# Altium PCB JTAG-批量下载V06.PcbDoc (part 6 of 13)
Units mil, origin at the board's own origin, x right, y up, seen from the top; angles counter-clockwise.
Board outline 6380 x 5290 mil, 2 copper layers (Top Layer, Bottom Layer); 190 components, 238 nets, 1050 pads, 459 vias.
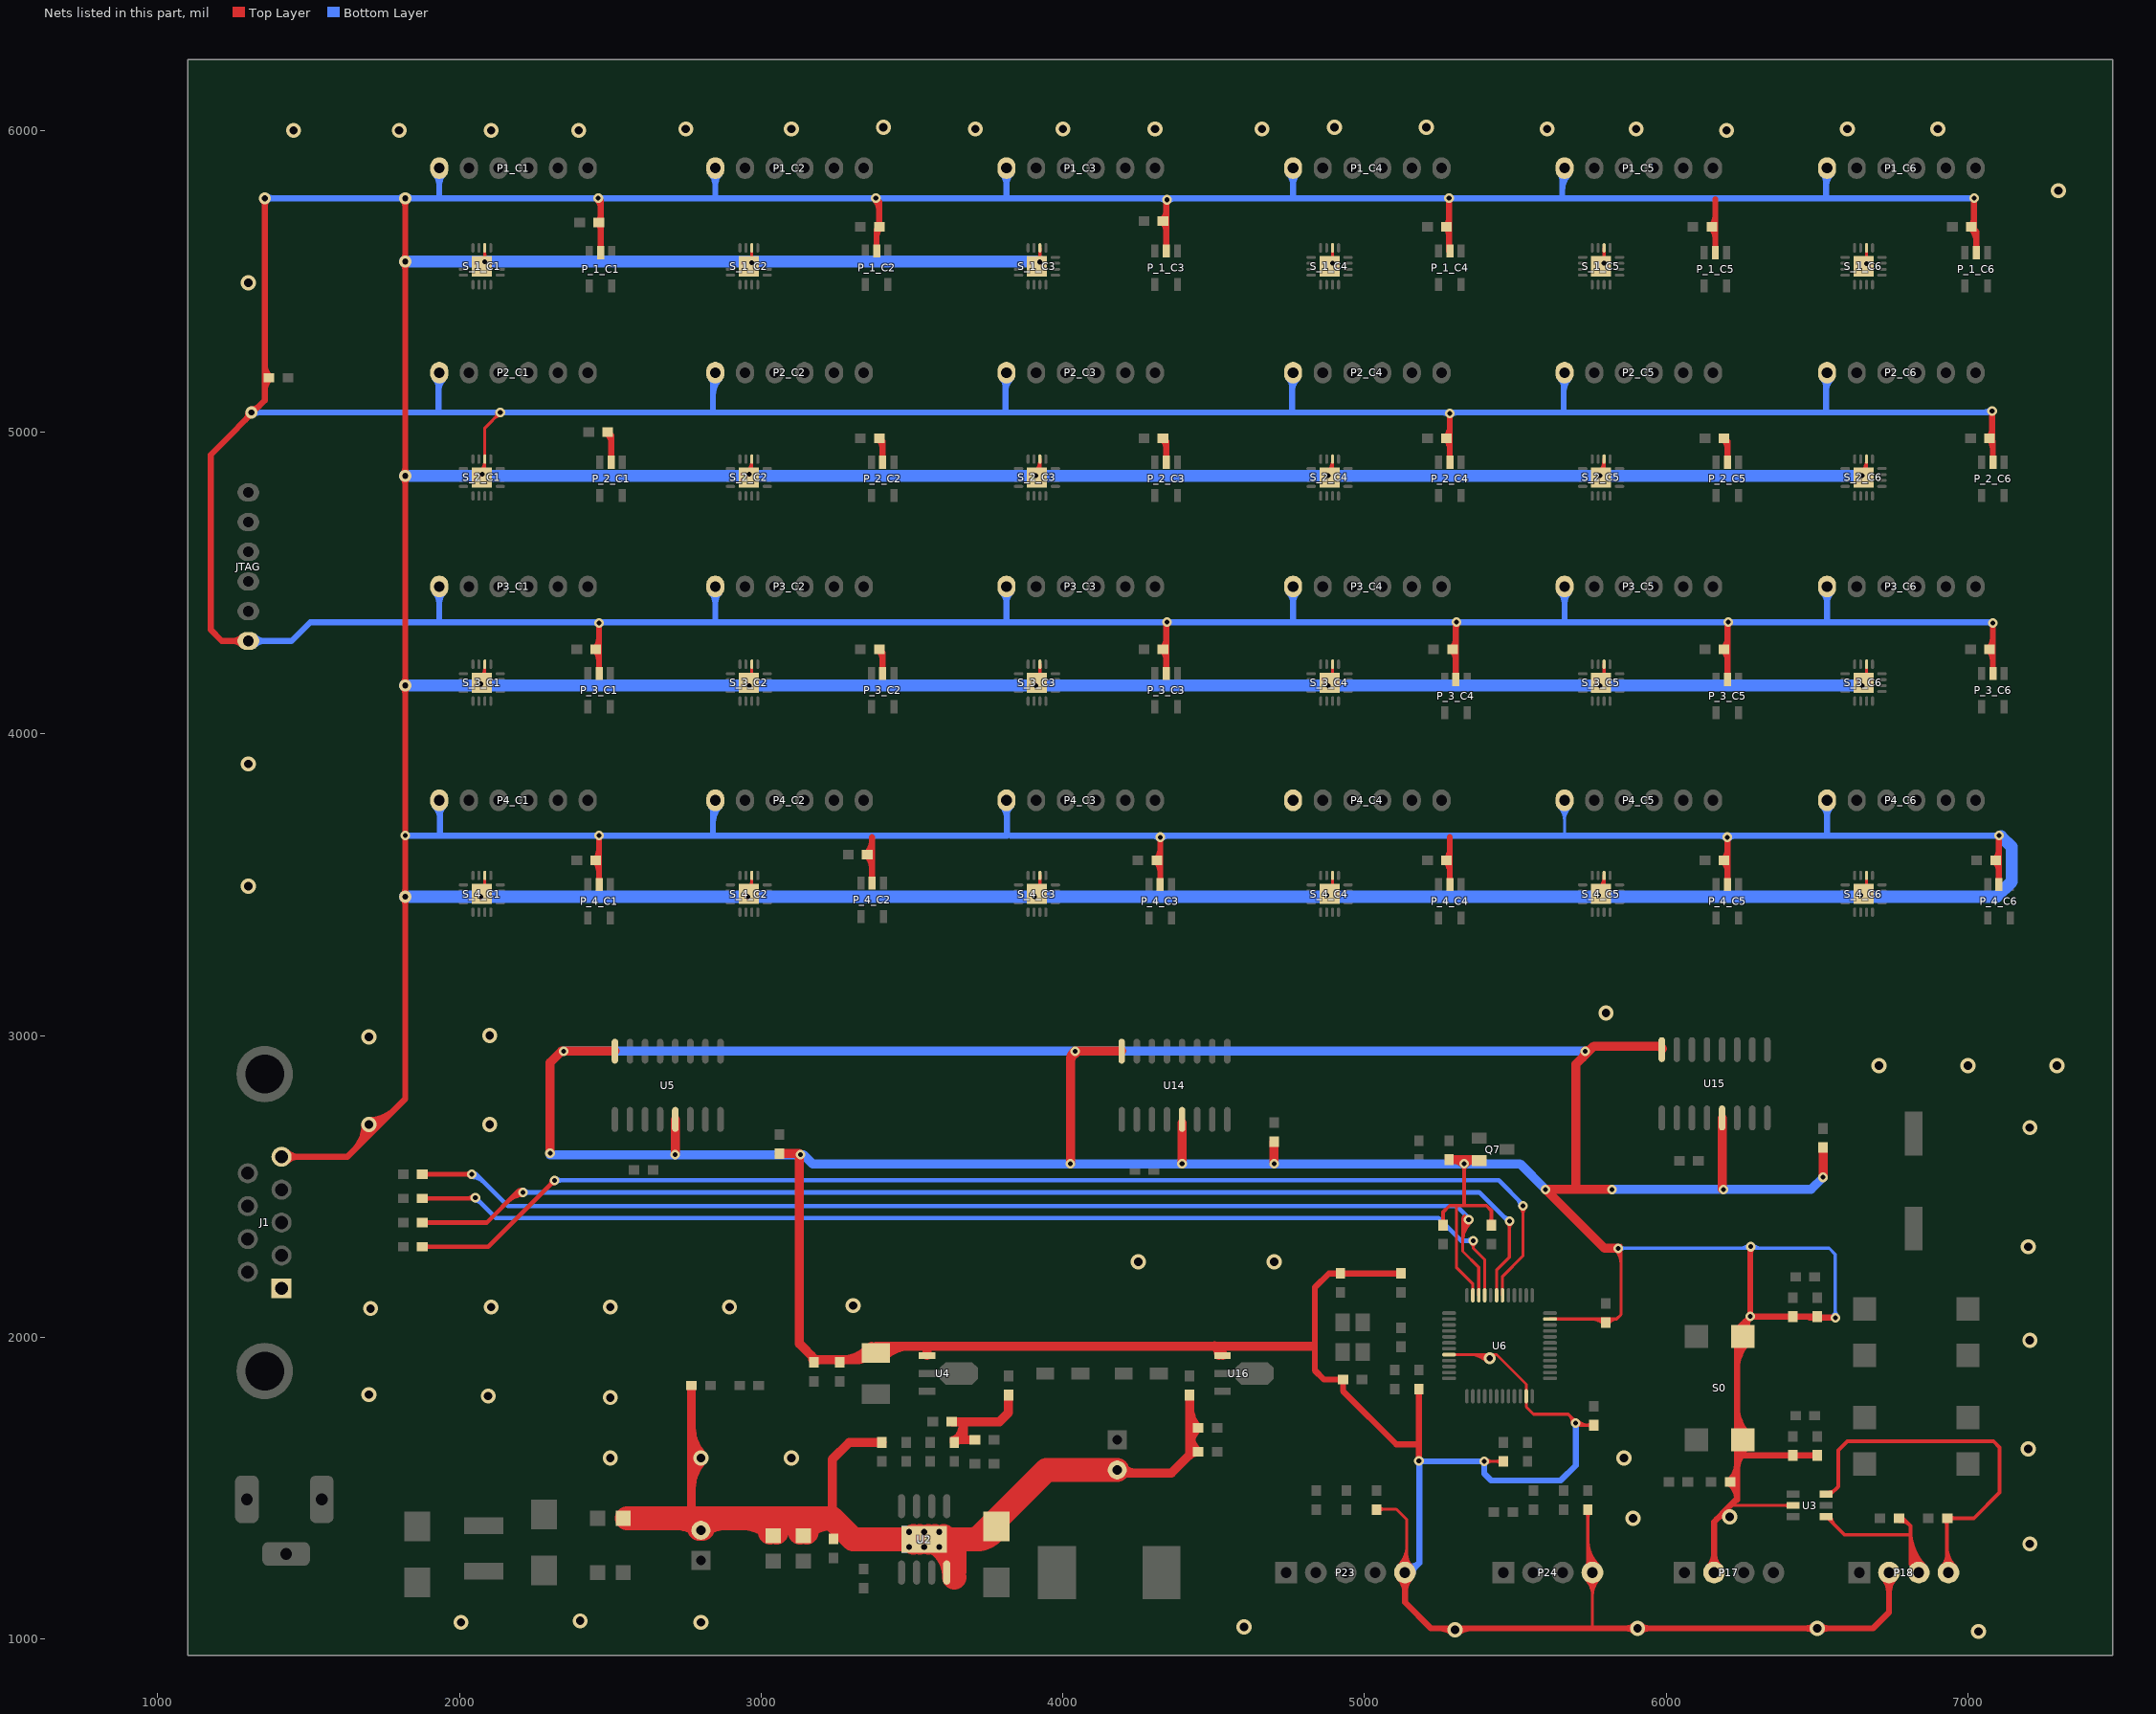
[diagram p6: the nets of this part, all layers, seen from the top]

## Via types
v1: diameter 32, hole 16, Top Layer to Bottom Layer, 347 vias
v2: diameter 50, hole 28, Top Layer to Bottom Layer, 63 vias
v3: diameter 40, hole 20, Top Layer to Bottom Layer, 49 vias

## Nets (pads, with @x,y where several pads share a name; then routed paths per layer and width w, separated by ;. In a path a pad name is that pad's centre, name@x,y a point inside that pad or via, vN(x,y) a via of type N, cw(c..) or ccw(c..) an arc to the next point about the centre after c; other vN are vias at no path point) (continued)
GND: (continued)
  Bottom Layer w20: JTAG.6@1300,4307.87 1442.87,4307.87 1505,4370 v1@7082.6,4370 ; v3@1315,5065 v1@7080,5065 ; v3(1355,5775) v1(7020,5775) ; v1(1820,3662.6) 3815,3662.6 P4_C3.6@3815,3777.4 ; 1930,5065 P2_C1.6@1930,5193.98 ; 1932.87,4372.13 P3_C1.6@1932.87,4488.19 ; 1932.87,5777.13 P1_C1.6@1932.87,5875 ; 1935,3662.6 P4_C1.6@1935,3777.4 ; 2840,3662.6 P4_C2.6@2840,3771.65 ; 2840,5065 P2_C2.6@2840,5188.98 ; 2847.87,4372.13 P3_C2.6@2847.87,4488.19 ; 2847.87,5777.13 P1_C2.6@2847.87,5875 ; 3810,5065 P2_C3.6@3810,5170 ; P3_C3.6@3812.87,4488.19 3812.87,4372.13 3815,4370 ; 3812.87,5777.87 P1_C3.6@3812.87,5875 ; 3827.6,3662.4 v1(7102.6,3662.4) ; 4760,5065 P2_C4.6@4760,5185 ; P3_C4.6@4762.87,4488.19 4762.87,4372.13 4765,4370 ; 4762.87,5777.13 P1_C4.6@4762.87,5875 ; P23.5@5140,1210 5181.5,1251.5 ; 5655,5775 P1_C5.6@5655,5867.13 ; 5660,5065 P2_C5.6@5660,5193.98 ; 5662.87,4372.13 P3_C5.6@5662.87,4488.19 ; v1(5700,1715) 5700,1575 5650,1525 5420,1525 5396.5,1548.5 v1(5396.5,1588.5) 5181.5,1588.5 5181.5,1251.5 ; 6530,5065 P2_C6.6@6530,5193.98 ; 6530,5775 P1_C6.6@6530,5872.13 ; 6532.87,3665.47 P4_C6.6@6532.87,3779.53 ; 6532.87,4372.87 P3_C6.6@6532.87,4488.19 ; v3@1317.07,5057.93 cw(c1334.14,5040.86) 1334.14,5065 ; v3@1317.07,5057.93 cw(c1334.14,5040.86) 1334.14,5065 ; v3@1317.07,5057.93 cw(c1334.14,5040.86) 1334.14,5065 ; v3@1317.07,5072.07 ccw(c1334.14,5089.14) 1334.14,5065 ; v3@1317.07,5072.07 ccw(c1334.14,5089.14) 1334.14,5065 ; v3@1317.07,5072.07 ccw(c1334.14,5089.14) 1334.14,5065 ; JTAG.6@1320.14,4293.73 cw(c1354.28,4259.59) 1354.28,4307.87 ; JTAG.6@1320.14,4293.73 cw(c1354.28,4259.59) 1354.28,4307.87 ; JTAG.6@1320.14,4293.73 cw(c1354.28,4259.59) 1354.28,4307.87 ; JTAG.6@1320.14,4322.02 ccw(c1354.28,4356.16) 1354.28,4307.87 ; JTAG.6@1320.14,4322.02 ccw(c1354.28,4356.16) 1354.28,4307.87 ; JTAG.6@1320.14,4322.02 ccw(c1354.28,4356.16) 1354.28,4307.87 ; v3@1362.07,5767.93 cw(c1379.14,5750.86) 1379.14,5775 ; v3@1362.07,5767.93 cw(c1379.14,5750.86) 1379.14,5775 ; v3@1362.07,5767.93 cw(c1379.14,5750.86) 1379.14,5775 ; v3@1362.07,5782.07 ccw(c1379.14,5799.14) 1379.14,5775 ; v3@1362.07,5782.07 ccw(c1379.14,5799.14) 1379.14,5775 ; v3@1362.07,5782.07 ccw(c1379.14,5799.14) 1379.14,5775 ; 1795.86,5775 ccw(c1795.86,5799.14) v3@1812.93,5782.07 ; 1795.86,5775 cw(c1795.86,5750.86) v3@1812.93,5767.93 ; 1795.86,5775 ccw(c1795.86,5799.14) v3@1812.93,5782.07 ; 1795.86,5775 cw(c1795.86,5750.86) v3@1812.93,5767.93 ; 1795.86,5775 ccw(c1795.86,5799.14) v3@1812.93,5782.07 ; 1795.86,5775 cw(c1795.86,5750.86) v3@1812.93,5767.93 ; v3@1827.07,5767.93 cw(c1844.14,5750.86) 1844.14,5775 ; v3@1827.07,5767.93 cw(c1844.14,5750.86) 1844.14,5775 ; v3@1827.07,5767.93 cw(c1844.14,5750.86) 1844.14,5775 ; v3@1827.07,5782.07 ccw(c1844.14,5799.14) 1844.14,5775 ; v3@1827.07,5782.07 ccw(c1844.14,5799.14) 1844.14,5775 ; v3@1827.07,5782.07 ccw(c1844.14,5799.14) 1844.14,5775 ; P4_C1.6@1918.73,3759.39 cw(c1879.46,3720.11) 1935,3720.11 ; P4_C1.6@1918.73,3759.39 cw(c1879.46,3720.11) 1935,3720.11 ; P4_C1.6@1918.73,3759.39 cw(c1879.46,3720.11) 1935,3720.11 ; P3_C1.6@1918.73,4468.05 cw(c1884.59,4433.9) 1932.87,4433.9 ; P3_C1.6@1918.73,4468.05 cw(c1884.59,4433.9) 1932.87,4433.9 ; P3_C1.6@1918.73,4468.05 cw(c1884.59,4433.9) 1932.87,4433.9 ; P2_C1.6@1918.73,5176.71 cw(c1891.53,5149.5) 1930,5149.5 ; P2_C1.6@1918.73,5176.71 cw(c1891.53,5149.5) 1930,5149.5 ; P2_C1.6@1918.73,5176.71 cw(c1891.53,5149.5) 1930,5149.5 ; P1_C1.6@1918.73,5854.86 cw(c1884.59,5820.72) 1932.87,5820.72 ; P1_C1.6@1918.73,5854.86 cw(c1884.59,5820.72) 1932.87,5820.72 ; P1_C1.6@1918.73,5854.86 cw(c1884.59,5820.72) 1932.87,5820.72 ; 1930,5135.63 cw(c1988.1,5135.63) P2_C1.6@1947.02,5176.71 ; 1930,5135.63 cw(c1988.1,5135.63) P2_C1.6@1947.02,5176.71 ; 1930,5135.63 cw(c1988.1,5135.63) P2_C1.6@1947.02,5176.71 ; 1932.87,4433.9 cw(c1981.16,4433.9) P3_C1.6@1947.02,4468.05 ; 1932.87,4433.9 cw(c1981.16,4433.9) P3_C1.6@1947.02,4468.05 ; 1932.87,4433.9 cw(c1981.16,4433.9) P3_C1.6@1947.02,4468.05 ; 1932.87,5820.72 cw(c1981.16,5820.72) P1_C1.6@1947.02,5854.86 ; 1932.87,5820.72 cw(c1981.16,5820.72) P1_C1.6@1947.02,5854.86 ; 1932.87,5820.72 cw(c1981.16,5820.72) P1_C1.6@1947.02,5854.86 ; 1935,3730.38 cw(c1976.03,3730.38) P4_C1.6@1947.02,3759.39 ; 1935,3730.38 cw(c1976.03,3730.38) P4_C1.6@1947.02,3759.39 ; 1935,3730.38 cw(c1976.03,3730.38) P4_C1.6@1947.02,3759.39 ; 2442.32,4370 cw(c2442.32,4347.32) v1@2458.36,4363.36 ; 2442.32,4370 cw(c2442.32,4347.32) v1@2458.36,4363.36 ; 2442.32,4370 cw(c2442.32,4347.32) v1@2458.36,4363.36 ; v1@2466.84,4363.36 cw(c2482.88,4347.32) 2482.88,4370 ; v1@2466.84,4363.36 cw(c2482.88,4347.32) 2482.88,4370 ; v1@2466.84,4363.36 cw(c2482.88,4347.32) 2482.88,4370 ; P4_C2.6@2833.73,3759.39 cw(c2818.6,3744.25) 2840,3744.25 ; P4_C2.6@2833.73,3759.39 cw(c2818.6,3744.25) 2840,3744.25 ; P4_C2.6@2833.73,3759.39 cw(c2818.6,3744.25) 2840,3744.25 ; P3_C2.6@2833.73,4468.05 cw(c2799.59,4433.9) 2847.87,4433.9 ; P3_C2.6@2833.73,4468.05 cw(c2799.59,4433.9) 2847.87,4433.9 ; P3_C2.6@2833.73,4468.05 cw(c2799.59,4433.9) 2847.87,4433.9 ; P2_C2.6@2833.73,5176.71 cw(c2818.6,5161.58) 2840,5161.58 ; P2_C2.6@2833.73,5176.71 cw(c2818.6,5161.58) 2840,5161.58 ; P2_C2.6@2833.73,5176.71 cw(c2818.6,5161.58) 2840,5161.58 ; P1_C2.6@2833.73,5854.86 cw(c2799.59,5820.72) 2847.87,5820.72 ; P1_C2.6@2833.73,5854.86 cw(c2799.59,5820.72) 2847.87,5820.72 ; P1_C2.6@2833.73,5854.86 cw(c2799.59,5820.72) 2847.87,5820.72 ; 2840,3706.23 cw(c2915.17,3706.23) P4_C2.6@2862.02,3759.39 ; 2840,3706.23 cw(c2915.17,3706.23) P4_C2.6@2862.02,3759.39 ; 2840,3706.23 cw(c2915.17,3706.23) P4_C2.6@2862.02,3759.39 ; 2840,5123.56 cw(c2915.17,5123.56) P2_C2.6@2862.02,5176.71 ; 2840,5123.56 cw(c2915.17,5123.56) P2_C2.6@2862.02,5176.71 ; 2840,5123.56 cw(c2915.17,5123.56) P2_C2.6@2862.02,5176.71 ; 2847.87,4433.9 cw(c2896.16,4433.9) P3_C2.6@2862.02,4468.05 ; 2847.87,4433.9 cw(c2896.16,4433.9) P3_C2.6@2862.02,4468.05 ; 2847.87,4433.9 cw(c2896.16,4433.9) P3_C2.6@2862.02,4468.05 ; 2847.87,5820.72 cw(c2896.16,5820.72) P1_C2.6@2862.02,5854.86 ; 2847.87,5820.72 cw(c2896.16,5820.72) P1_C2.6@2862.02,5854.86 ; 2847.87,5820.72 cw(c2896.16,5820.72) P1_C2.6@2862.02,5854.86 ; P4_C3.6@3798.73,3759.39 cw(c3759.46,3720.11) 3815,3720.11 ; P4_C3.6@3798.73,3759.39 cw(c3759.46,3720.11) 3815,3720.11 ; P4_C3.6@3798.73,3759.39 cw(c3759.46,3720.11) 3815,3720.11 ; P3_C3.6@3798.73,4468.05 cw(c3764.59,4433.9) 3812.87,4433.9 ; P3_C3.6@3798.73,4468.05 cw(c3764.59,4433.9) 3812.87,4433.9 ; P3_C3.6@3798.73,4468.05 cw(c3764.59,4433.9) 3812.87,4433.9 ; P2_C3.6@3798.73,5176.71 cw(c3771.53,5149.5) 3810,5149.5 ; P2_C3.6@3798.73,5176.71 cw(c3771.53,5149.5) 3810,5149.5 ; P2_C3.6@3798.73,5176.71 cw(c3771.53,5149.5) 3810,5149.5 ; P1_C3.6@3798.73,5854.86 cw(c3764.59,5820.72) 3812.87,5820.72 ; P1_C3.6@3798.73,5854.86 cw(c3764.59,5820.72) 3812.87,5820.72 ; P1_C3.6@3798.73,5854.86 cw(c3764.59,5820.72) 3812.87,5820.72 ; 3810,5135.63 cw(c3868.1,5135.63) P2_C3.6@3827.02,5176.71 ; 3810,5135.63 cw(c3868.1,5135.63) P2_C3.6@3827.02,5176.71 ; 3810,5135.63 cw(c3868.1,5135.63) P2_C3.6@3827.02,5176.71 ; 3812.87,4433.9 cw(c3861.16,4433.9) P3_C3.6@3827.02,4468.05 ; 3812.87,4433.9 cw(c3861.16,4433.9) P3_C3.6@3827.02,4468.05 ; 3812.87,4433.9 cw(c3861.16,4433.9) P3_C3.6@3827.02,4468.05 ; 3812.87,5820.72 cw(c3861.16,5820.72) P1_C3.6@3827.02,5854.86 ; 3812.87,5820.72 cw(c3861.16,5820.72) P1_C3.6@3827.02,5854.86 ; 3812.87,5820.72 cw(c3861.16,5820.72) P1_C3.6@3827.02,5854.86 ; 3815,3730.38 cw(c3856.03,3730.38) P4_C3.6@3827.02,3759.39 ; 3815,3730.38 cw(c3856.03,3730.38) P4_C3.6@3827.02,3759.39 ; 3815,3730.38 cw(c3856.03,3730.38) P4_C3.6@3827.02,3759.39 ; 4296.04,3662.4 cw(c4296.04,3630.85) v1@4318.36,3653.16 ; 4296.04,3662.4 cw(c4296.04,3630.85) v1@4318.36,3653.16 ; 4296.04,3662.4 cw(c4296.04,3630.85) v1@4318.36,3653.16 ; 4318.44,5775 cw(c4318.44,5743.44) v1@4340.76,5765.76 ; 4318.44,5775 cw(c4318.44,5743.44) v1@4340.76,5765.76 ; 4318.44,5775 cw(c4318.44,5743.44) v1@4340.76,5765.76 ; v1@4326.84,3653.16 cw(c4349.15,3630.85) 4349.15,3662.4 ; v1@4326.84,3653.16 cw(c4349.15,3630.85) 4349.15,3662.4 ; v1@4326.84,3653.16 cw(c4349.15,3630.85) 4349.15,3662.4 ; v1@4349.24,5765.76 cw(c4371.56,5743.44) 4371.56,5775 ; v1@4349.24,5765.76 cw(c4371.56,5743.44) 4371.56,5775 ; v1@4349.24,5765.76 cw(c4371.56,5743.44) 4371.56,5775 ; P3_C4.6@4748.73,4468.05 cw(c4714.59,4433.9) 4762.87,4433.9 ; P3_C4.6@4748.73,4468.05 cw(c4714.59,4433.9) 4762.87,4433.9 ; P3_C4.6@4748.73,4468.05 cw(c4714.59,4433.9) 4762.87,4433.9 ; P2_C4.6@4748.73,5176.71 cw(c4721.53,5149.5) 4760,5149.5 ; P2_C4.6@4748.73,5176.71 cw(c4721.53,5149.5) 4760,5149.5 ; P2_C4.6@4748.73,5176.71 cw(c4721.53,5149.5) 4760,5149.5 ; P1_C4.6@4748.73,5854.86 cw(c4714.59,5820.72) 4762.87,5820.72 ; P1_C4.6@4748.73,5854.86 cw(c4714.59,5820.72) 4762.87,5820.72 ; P1_C4.6@4748.73,5854.86 cw(c4714.59,5820.72) 4762.87,5820.72 ; 4760,5135.63 cw(c4818.1,5135.63) P2_C4.6@4777.02,5176.71 ; 4760,5135.63 cw(c4818.1,5135.63) P2_C4.6@4777.02,5176.71 ; 4760,5135.63 cw(c4818.1,5135.63) P2_C4.6@4777.02,5176.71 ; 4762.87,4433.9 cw(c4811.16,4433.9) P3_C4.6@4777.02,4468.05 ; 4762.87,4433.9 cw(c4811.16,4433.9) P3_C4.6@4777.02,4468.05 ; 4762.87,4433.9 cw(c4811.16,4433.9) P3_C4.6@4777.02,4468.05 ; 4762.87,5820.72 cw(c4811.16,5820.72) P1_C4.6@4777.02,5854.86 ; 4762.87,5820.72 cw(c4811.16,5820.72) P1_C4.6@4777.02,5854.86 ; 4762.87,5820.72 cw(c4811.16,5820.72) P1_C4.6@4777.02,5854.86 ; P23.5@5143.69,1244.01 ccw(c5157,1275.99) 5181.49,1251.49 ; P23.5@5143.69,1244.01 ccw(c5157,1275.99) 5181.49,1251.49 ; P23.5@5143.69,1244.01 ccw(c5157,1275.99) 5181.49,1251.49 ; P23.5@5159.7,1220 cw(c5183.12,1220) 5166.56,1236.56 ; P23.5@5159.7,1220 cw(c5183.12,1220) 5166.56,1236.56 ; P23.5@5159.7,1220 cw(c5183.12,1220) 5166.56,1236.56 ; v1@5175.76,1585.76 cw(c5161.9,1571.9) 5181.5,1571.9 ; v1@5175.76,1585.76 cw(c5161.9,1571.9) 5181.5,1571.9 ; v1@5175.76,1585.76 cw(c5161.9,1571.9) 5181.5,1571.9 ; v1@5184.24,1594.24 ccw(c5198.1,1608.1) 5198.1,1588.5 ; v1@5184.24,1594.24 ccw(c5198.1,1608.1) 5198.1,1588.5 ; v1@5184.24,1594.24 ccw(c5198.1,1608.1) 5198.1,1588.5 ; 5261.84,5065 cw(c5261.84,5041.64) v1@5278.36,5058.16 ; 5261.84,5065 cw(c5261.84,5041.64) v1@5278.36,5058.16 ; 5261.84,5065 cw(c5261.84,5041.64) v1@5278.36,5058.16 ; v1@5286.84,5058.16 cw(c5303.36,5041.64) 5303.36,5065 ; v1@5286.84,5058.16 cw(c5303.36,5041.64) 5303.36,5065 ; v1@5286.84,5058.16 cw(c5303.36,5041.64) 5303.36,5065 ; P3_C5.6@5648.73,4468.05 cw(c5614.59,4433.9) 5662.87,4433.9 ; P3_C5.6@5648.73,4468.05 cw(c5614.59,4433.9) 5662.87,4433.9 ; P3_C5.6@5648.73,4468.05 cw(c5614.59,4433.9) 5662.87,4433.9 ; P2_C5.6@5648.73,5176.71 cw(c5621.53,5149.5) 5660,5149.5 ; P2_C5.6@5648.73,5176.71 cw(c5621.53,5149.5) 5660,5149.5 ; P2_C5.6@5648.73,5176.71 cw(c5621.53,5149.5) 5660,5149.5 ; P1_C5.6@5648.73,5854.86 cw(c5633.6,5839.73) 5655,5839.73 ; P1_C5.6@5648.73,5854.86 cw(c5633.6,5839.73) 5655,5839.73 ; P1_C5.6@5648.73,5854.86 cw(c5633.6,5839.73) 5655,5839.73 ; 5655,5801.71 cw(c5730.17,5801.71) P1_C5.6@5677.02,5854.86 ; 5655,5801.71 cw(c5730.17,5801.71) P1_C5.6@5677.02,5854.86 ; 5655,5801.71 cw(c5730.17,5801.71) P1_C5.6@5677.02,5854.86 ; 5660,5135.63 cw(c5718.1,5135.63) P2_C5.6@5677.02,5176.71 ; 5660,5135.63 cw(c5718.1,5135.63) P2_C5.6@5677.02,5176.71 ; 5660,5135.63 cw(c5718.1,5135.63) P2_C5.6@5677.02,5176.71 ; 5662.87,4433.9 cw(c5711.16,4433.9) P3_C5.6@5677.02,4468.05 ; 5662.87,4433.9 cw(c5711.16,4433.9) P3_C5.6@5677.02,4468.05 ; 5662.87,4433.9 cw(c5711.16,4433.9) P3_C5.6@5677.02,4468.05 ; 6176.04,3662.4 cw(c6176.04,3630.85) v1@6198.36,3653.16 ; 6176.04,3662.4 cw(c6176.04,3630.85) v1@6198.36,3653.16 ; 6176.04,3662.4 cw(c6176.04,3630.85) v1@6198.36,3653.16 ; v1@6206.84,3653.16 cw(c6229.15,3630.85) 6229.15,3662.4 ; v1@6206.84,3653.16 cw(c6229.15,3630.85) 6229.15,3662.4 ; v1@6206.84,3653.16 cw(c6229.15,3630.85) 6229.15,3662.4 ; P4_C6.6@6518.73,3759.39 cw(c6484.59,3725.24) 6532.87,3725.24 ; P4_C6.6@6518.73,3759.39 cw(c6484.59,3725.24) 6532.87,3725.24 ; P4_C6.6@6518.73,3759.39 cw(c6484.59,3725.24) 6532.87,3725.24 ; P3_C6.6@6518.73,4468.05 cw(c6484.59,4433.9) 6532.87,4433.9 ; P3_C6.6@6518.73,4468.05 cw(c6484.59,4433.9) 6532.87,4433.9 ; P3_C6.6@6518.73,4468.05 cw(c6484.59,4433.9) 6532.87,4433.9 ; P2_C6.6@6518.73,5176.71 cw(c6491.53,5149.5) 6530,5149.5 ; P2_C6.6@6518.73,5176.71 cw(c6491.53,5149.5) 6530,5149.5 ; P2_C6.6@6518.73,5176.71 cw(c6491.53,5149.5) 6530,5149.5 ; P1_C6.6@6518.73,5854.86 cw(c6491.53,5827.65) 6530,5827.65 ; P1_C6.6@6518.73,5854.86 cw(c6491.53,5827.65) 6530,5827.65 ; P1_C6.6@6518.73,5854.86 cw(c6491.53,5827.65) 6530,5827.65 ; 6530,5135.63 cw(c6588.1,5135.63) P2_C6.6@6547.02,5176.71 ; 6530,5135.63 cw(c6588.1,5135.63) P2_C6.6@6547.02,5176.71 ; 6530,5135.63 cw(c6588.1,5135.63) P2_C6.6@6547.02,5176.71 ; 6530,5813.78 cw(c6588.1,5813.78) P1_C6.6@6547.02,5854.86 ; 6530,5813.78 cw(c6588.1,5813.78) P1_C6.6@6547.02,5854.86 ; 6530,5813.78 cw(c6588.1,5813.78) P1_C6.6@6547.02,5854.86 ; 6532.87,3725.24 cw(c6581.16,3725.24) P4_C6.6@6547.02,3759.39 ; 6532.87,3725.24 cw(c6581.16,3725.24) P4_C6.6@6547.02,3759.39 ; 6532.87,3725.24 cw(c6581.16,3725.24) P4_C6.6@6547.02,3759.39 ; 6532.87,4433.9 cw(c6581.16,4433.9) P3_C6.6@6547.02,4468.05 ; 6532.87,4433.9 cw(c6581.16,4433.9) P3_C6.6@6547.02,4468.05 ; 6532.87,4433.9 cw(c6581.16,4433.9) P3_C6.6@6547.02,4468.05 ; 7053.44,5065 ccw(c7053.44,5096.56) v1@7075.76,5074.24 ; 7053.44,5065 ccw(c7053.44,5096.56) v1@7075.76,5074.24 ; 7053.44,5065 ccw(c7053.44,5096.56) v1@7075.76,5074.24 ; 7061.84,4370 cw(c7061.84,4346.64) v1@7078.36,4363.16 ; 7061.84,4370 cw(c7061.84,4346.64) v1@7078.36,4363.16 ; 7061.84,4370 cw(c7061.84,4346.64) v1@7078.36,4363.16
  Bottom Layer w30: v1@2300,2605 3140,2605 3170,2575 5515,2575 v1(5600,2490) ; v1(2345,2948.19) v1(5731.81,2948.19) ; v1(5820,2490) 6480,2490 v1(6520,2530) ; v1@3130,2604 cw(c3130,2577.44) 3148.78,2596.22 ; v1@3130,2604 cw(c3130,2577.44) 3148.78,2596.22 ; v1@3130,2604 cw(c3130,2577.44) 3148.78,2596.22
  Bottom Layer w40: v3(1820,3460) 7095,3460 7145,3510 7145,3625 v1@7110,3660 ; v3(1820,4160) v1(6650,4160) ; v3(1820,4855) v1(6650,4855) ; v3(1820,5565) v1@3923.82,5565
  other v1: 6280,2300 6190,2490 5330,2575 2715,2605 3130,2605 4040,2948.19 2070,3460 2955,3460 3905,3460 4875,3465 5775,3465 6645,3465 2960,4160 3910,4160 4880,4160 5780,4160 2070,4165 4345,4370 5305,4370 6205,4370 3910,4855 4880,4855 5780,4855 2075,4860 2960,4860 2083.82,5565 4345,5770
  other v2: 7035,1025 5300,1030 5905,1035 6500,1035 4600,1040 2005,1055 2800,1055 2400,1060 7205,1315 5890,1400 6210,1405 2500,1600 2800,1600 3100,1600 5860,1600 7200,1630 2500,1800 2095,1805 1700,1810 7205,1990 1705,2095 2105,2100 2500,2100 2895,2100 3305,2105 4250,2250 4700,2250 7200,2300 7205,2695 1700,2705 2100,2705 6705,2900 7000,2900 7295,2900 1700,2995 2100,3000 5800,3075 1300,3495 1300,3900 1300,5495 7300,5800 1450,6000 1800,6000 2105,6000 2395,6000 6200,6000 2750,6005 3100,6005 3710,6005 4000,6005 4305,6005 4660,6005 5605,6005 5900,6005 6600,6005 6900,6005 3405,6010 4900,6010 5205,6010
  other v3: 5415,1930 1310,5065
ISP_RXD: P18.4 R18.1 U3.6 | length 2028.2
  Top Layer w12: U3.6@6530.24,1480 6545,1480 6570,1505 6570,1625 6600,1655 7085,1655 7105,1635 7105,1485 7020,1400 R18.1@6931.5,1400 ; P18.4@6930,1225.28 R18.1@6930,1400 ; U3.6@6540.08,1485.81 ccw(c6540.08,1511.72) 6558.4,1493.4 ; U3.6@6540.08,1485.81 ccw(c6540.08,1511.72) 6558.4,1493.4 ; U3.6@6540.08,1485.81 ccw(c6540.08,1511.72) 6558.4,1493.4 ; P18.4@6914.06,1241.21 ccw(c6875.59,1279.69) 6930,1279.69 ; P18.4@6914.06,1241.21 ccw(c6875.59,1279.69) 6930,1279.69 ; P18.4@6914.06,1241.21 ccw(c6875.59,1279.69) 6930,1279.69 ; R18.1@6922.63,1393.11 cw(c6904.85,1375.33) 6930,1375.33 ; R18.1@6922.63,1393.11 cw(c6904.85,1375.33) 6930,1375.33 ; R18.1@6922.63,1393.11 cw(c6904.85,1375.33) 6930,1375.33 ; 6930,1276.19 ccw(c6991.47,1276.19) P18.4@6948,1232.73 ; 6930,1276.19 ccw(c6991.47,1276.19) P18.4@6948,1232.73 ; 6930,1276.19 ccw(c6991.47,1276.19) P18.4@6948,1232.73 ; 6930,1305.16 ccw(c7020.44,1305.16) P18.4@6956.49,1241.21 ; 6930,1305.16 ccw(c7020.44,1305.16) P18.4@6956.49,1241.21 ; 6930,1305.16 ccw(c7020.44,1305.16) P18.4@6956.49,1241.21 ; 6930,1377.61 cw(c6951.92,1377.61) R18.1@6936.42,1393.11 ; 6930,1377.61 cw(c6951.92,1377.61) R18.1@6936.42,1393.11 ; 6930,1377.61 cw(c6951.92,1377.61) R18.1@6936.42,1393.11 ; R18.1@6940.36,1393.11 cw(c6957,1376.47) 6957,1400 ; R18.1@6940.36,1393.11 cw(c6957,1376.47) 6957,1400 ; R18.1@6940.36,1393.11 cw(c6957,1376.47) 6957,1400 ; R18.1@6940.36,1406.89 ccw(c6957,1423.53) 6957,1400 ; R18.1@6940.36,1406.89 ccw(c6957,1423.53) 6957,1400 ; R18.1@6940.36,1406.89 ccw(c6957,1423.53) 6957,1400
ISP_TXD: P18.3 R19.1 U3.4 | length 1919.6
  Top Layer w12: U3.4@6530.24,1405.2 6590.43,1345 6810,1345 ; R19.1@6771.5,1400 6785,1400 6810,1375 6810,1246.85 P18.3@6836.85,1220 ; U3.4@6545.89,1405.2 ccw(c6583.68,1405.2) 6556.96,1378.47 ; U3.4@6545.89,1405.2 ccw(c6583.68,1405.2) 6556.96,1378.47 ; U3.4@6545.89,1405.2 ccw(c6583.68,1405.2) 6556.96,1378.47 ; R19.1@6773.46,1390.25 cw(c6773.46,1338.87) 6809.8,1375.2 ; R19.1@6773.46,1390.25 cw(c6773.46,1338.87) 6809.8,1375.2 ; R19.1@6773.46,1390.25 cw(c6773.46,1338.87) 6809.8,1375.2 ; R19.1@6773.46,1402.25 cw(c6773.46,1379.84) 6789.31,1395.69 ; R19.1@6773.46,1402.25 cw(c6773.46,1379.84) 6789.31,1395.69 ; R19.1@6773.46,1402.25 cw(c6773.46,1379.84) 6789.31,1395.69 ; 6810,1270.34 ccw(c6887.19,1270.34) P18.3@6832.61,1215.76 ; 6810,1270.34 ccw(c6887.19,1270.34) P18.3@6832.61,1215.76 ; 6810,1270.34 ccw(c6887.19,1270.34) P18.3@6832.61,1215.76 ; 6810,1299.31 ccw(c6916.16,1299.31) P18.3@6841.09,1224.24 ; 6810,1299.31 ccw(c6916.16,1299.31) P18.3@6841.09,1224.24 ; 6810,1299.31 ccw(c6916.16,1299.31) P18.3@6841.09,1224.24 ; 6810,1328.28 ccw(c6945.13,1328.28) P18.3@6849.58,1232.73 ; 6810,1328.28 ccw(c6945.13,1328.28) P18.3@6849.58,1232.73 ; 6810,1328.28 ccw(c6945.13,1328.28) P18.3@6849.58,1232.73 ; 6810,1357.25 ccw(c6974.1,1357.25) P18.3@6858.06,1241.21 ; 6810,1357.25 ccw(c6974.1,1357.25) P18.3@6858.06,1241.21 ; 6810,1357.25 ccw(c6974.1,1357.25) P18.3@6858.06,1241.21
JTAG_3.3V: J1.1
JTAG_BUSY: R5.2 U6.45 | length 4207.9
  Top Layer w10: v1(5360,2320) 5360,2295 ; U6.45@5398.11,2139.06 5398.11,2256.89 5360,2295 ; v1@5352.57,2311.89 cw(c5337.09,2295) 5360,2295 ; v1@5352.57,2311.89 cw(c5337.09,2295) 5360,2295 ; v1@5352.57,2311.89 cw(c5337.09,2295) 5360,2295 ; 5360,2295 cw(c5382.91,2295) v1@5367.43,2311.89 ; 5360,2295 cw(c5382.91,2295) v1@5367.43,2311.89 ; 5360,2295 cw(c5382.91,2295) v1@5367.43,2311.89
  Top Layer w15: R5.2@1875,2460 v1@2050,2460 ; R5.2@1884.3,2454.17 cw(c1898.38,2440.09) 1898.38,2460 ; R5.2@1884.3,2454.17 cw(c1898.38,2440.09) 1898.38,2460 ; R5.2@1884.3,2454.17 cw(c1898.38,2440.09) 1898.38,2460 ; R5.2@1884.3,2465.83 ccw(c1898.38,2479.91) 1898.38,2460 ; R5.2@1884.3,2465.83 ccw(c1898.38,2479.91) 1898.38,2460 ; R5.2@1884.3,2465.83 ccw(c1898.38,2479.91) 1898.38,2460 ; 2025.94,2460 ccw(c2025.94,2489.06) v1@2046.49,2468.51 ; 2025.94,2460 ccw(c2025.94,2489.06) v1@2046.49,2468.51 ; 2025.94,2460 ccw(c2025.94,2489.06) v1@2046.49,2468.51
  Bottom Layer w15: v1(2052.5,2462.5) 2120,2395 5245,2395 5320,2320 v1(5360,2320) ; v1@2052.5,2454 cw(c2052.5,2433.48) 2067.01,2447.99 ; v1@2052.5,2454 cw(c2052.5,2433.48) 2067.01,2447.99 ; v1@2052.5,2454 cw(c2052.5,2433.48) 2067.01,2447.99 ; v1@2061,2462.5 ccw(c2081.52,2462.5) 2067.01,2447.99 ; v1@2061,2462.5 ccw(c2081.52,2462.5) 2067.01,2447.99 ; v1@2061,2462.5 ccw(c2081.52,2462.5) 2067.01,2447.99 ; 5339.48,2320 ccw(c5339.48,2340.52) v1@5353.99,2326.01 ; 5339.48,2320 cw(c5339.48,2299.48) v1@5353.99,2313.99 ; 5339.48,2320 ccw(c5339.48,2340.52) v1@5353.99,2326.01 ; 5339.48,2320 cw(c5339.48,2299.48) v1@5353.99,2313.99 ; 5339.48,2320 ccw(c5339.48,2340.52) v1@5353.99,2326.01 ; 5339.48,2320 cw(c5339.48,2299.48) v1@5353.99,2313.99
JTAG_FAIL: R9.2 U6.46 | length 4341.6
  Top Layer w10: 5325,2315.16 cw(c5419.84,2315.16) v1@5352.78,2382.22 ; 5325,2339.3 cw(c5395.7,2339.3) v1@5345.71,2389.29 ; 5325,2363.44 cw(c5371.56,2363.44) v1@5338.64,2396.36 ; 5325,2387.59 cw(c5347.41,2387.59) 5331.56,2403.44 ; 5326.76,2386.76 cw(c5337.18,2376.33) v1@5344.5,2389.13 ; v1@5335,2395 5325,2385 5325,2285 5378.43,2231.57 U6.46@5378.43,2139.06
  Top Layer w15: R9.2@1885,2540 v1(2040,2540) ; R9.2@1884.3,2534.17 cw(c1898.38,2520.09) 1898.38,2540 ; R9.2@1884.3,2534.17 cw(c1898.38,2520.09) 1898.38,2540 ; R9.2@1884.3,2534.17 cw(c1898.38,2520.09) 1898.38,2540 ; R9.2@1884.3,2545.83 ccw(c1898.38,2559.91) 1898.38,2540 ; R9.2@1884.3,2545.83 ccw(c1898.38,2559.91) 1898.38,2540 ; R9.2@1884.3,2545.83 ccw(c1898.38,2559.91) 1898.38,2540 ; 2019.48,2540 ccw(c2019.48,2560.52) v1@2033.99,2546.01 ; 2019.48,2540 cw(c2019.48,2519.48) v1@2033.99,2533.99 ; 2019.48,2540 ccw(c2019.48,2560.52) v1@2033.99,2546.01 ; 2019.48,2540 cw(c2019.48,2519.48) v1@2033.99,2533.99 ; 2019.48,2540 ccw(c2019.48,2560.52) v1@2033.99,2546.01 ; 2019.48,2540 cw(c2019.48,2519.48) v1@2033.99,2533.99
  Bottom Layer w15: v1(2040,2540) 2055,2540 2160,2435 5305,2435 5345,2395 v1(5345,2390) ; v1@2040,2531.5 cw(c2040,2474.77) 2080.12,2514.88 ccw(c2040,2474.77) v1@2040,2531.5 ; 5326.95,2413.05 cw(c5303.91,2390) 5336.5,2390 ccw(c5303.91,2390) 5326.95,2413.05
JTAG_OK: R2.2 U6.43 | length 4795.5
  Top Layer w10: U6.43@5437.48,2139.06 5437.48,2222.48 5480,2265 v1(5480,2385) ; v1@5472.22,2377.22 cw(c5453.44,2358.44) 5480,2358.44 ; v1@5472.22,2377.22 cw(c5453.44,2358.44) 5480,2358.44 ; v1@5472.22,2377.22 cw(c5453.44,2358.44) 5480,2358.44 ; 5480,2358.44 cw(c5506.56,2358.44) v1@5487.78,2377.22 ; 5480,2358.44 cw(c5506.56,2358.44) v1@5487.78,2377.22 ; 5480,2358.44 cw(c5506.56,2358.44) v1@5487.78,2377.22
  Top Layer w15: R2.2@1876.5,2380 2090,2380 2190,2480 ; v1(2210,2480) 2190,2480 ; R2.2@1884.3,2374.17 cw(c1898.38,2360.09) 1898.38,2380 ; R2.2@1884.3,2374.17 cw(c1898.38,2360.09) 1898.38,2380 ; R2.2@1884.3,2374.17 cw(c1898.38,2360.09) 1898.38,2380 ; R2.2@1884.3,2385.83 ccw(c1898.38,2399.91) 1898.38,2380 ; R2.2@1884.3,2385.83 ccw(c1898.38,2399.91) 1898.38,2380 ; R2.2@1884.3,2385.83 ccw(c1898.38,2399.91) 1898.38,2380 ; 2161.35,2451.35 cw(c2210,2402.69) v1@2210,2471.5 ; 2161.35,2451.35 cw(c2210,2402.69) v1@2210,2471.5 ; 2161.35,2451.35 cw(c2210,2402.69) v1@2210,2471.5 ; 2180,2470 cw(c2194.49,2455.51) v1@2205.45,2472.82 ; 2180,2470 cw(c2194.49,2455.51) v1@2205.45,2472.82 ; 2180,2470 cw(c2194.49,2455.51) v1@2205.45,2472.82 ; 2186.95,2476.95 cw(c2210,2453.91) v1@2210,2486.5 ; 2186.95,2476.95 cw(c2210,2453.91) v1@2210,2486.5 ; 2186.95,2476.95 cw(c2210,2453.91) v1@2210,2486.5 ; 2190,2480 ccw(c2190,2499.28) v1@2203.88,2485.9 ; 2190,2480 cw(c2190,2460.72) v1@2203.88,2474.1 ; 2190,2480 ccw(c2190,2499.28) v1@2203.88,2485.9 ; 2190,2480 cw(c2190,2460.72) v1@2203.88,2474.1 ; 2190,2480 ccw(c2190,2499.28) v1@2203.88,2485.9 ; 2190,2480 cw(c2190,2460.72) v1@2203.88,2474.1 ; 2193.25,2483.25 cw(c2204.76,2471.74) v1@2213.48,2485.49 ; 2193.25,2483.25 cw(c2204.76,2471.74) v1@2213.48,2485.49 ; 2193.25,2483.25 cw(c2204.76,2471.74) v1@2213.48,2485.49
  Bottom Layer w15: v1(2210,2480) 5380,2480 5475,2385 v1(5480,2385) ; v1@2216.01,2473.99 cw(c2230.52,2459.48) 2230.52,2480 ; v1@2216.01,2473.99 cw(c2230.52,2459.48) 2230.52,2480 ; v1@2216.01,2473.99 cw(c2230.52,2459.48) 2230.52,2480 ; v1@2216.01,2486.01 ccw(c2230.52,2500.52) 2230.52,2480 ; v1@2216.01,2486.01 ccw(c2230.52,2500.52) 2230.52,2480 ; v1@2216.01,2486.01 ccw(c2230.52,2500.52) 2230.52,2480 ; 5456.95,2403.05 ccw(c5480,2426.09) 5480,2393.5 cw(c5480,2426.09) 5456.95,2403.05
JTAG_START: R1.2 U6.42 | length 4565.4
  Top Layer w10: U6.42@5457.17,2139.06 5457.17,2202.17 5525,2270 v1(5525,2435) ; v1@5517.22,2427.22 cw(c5498.44,2408.44) 5525,2408.44 ; v1@5517.22,2427.22 cw(c5498.44,2408.44) 5525,2408.44 ; v1@5517.22,2427.22 cw(c5498.44,2408.44) 5525,2408.44 ; 5525,2408.44 cw(c5551.56,2408.44) v1@5532.78,2427.22 ; 5525,2408.44 cw(c5551.56,2408.44) v1@5532.78,2427.22 ; 5525,2408.44 cw(c5551.56,2408.44) v1@5532.78,2427.22
  Top Layer w15: R1.2@1876.5,2300 2095,2300 v1(2315,2520) ; R1.2@1884.3,2294.17 cw(c1898.38,2280.09) 1898.38,2300 ; R1.2@1884.3,2294.17 cw(c1898.38,2280.09) 1898.38,2300 ; R1.2@1884.3,2294.17 cw(c1898.38,2280.09) 1898.38,2300 ; R1.2@1884.3,2305.83 ccw(c1898.38,2319.91) 1898.38,2300 ; R1.2@1884.3,2305.83 ccw(c1898.38,2319.91) 1898.38,2300 ; R1.2@1884.3,2305.83 ccw(c1898.38,2319.91) 1898.38,2300 ; 2300.49,2505.49 ccw(c2285.98,2520) v1@2306.5,2520 ; 2300.49,2505.49 cw(c2315,2490.98) v1@2315,2511.5 ; 2300.49,2505.49 ccw(c2285.98,2520) v1@2306.5,2520 ; 2300.49,2505.49 cw(c2315,2490.98) v1@2315,2511.5 ; 2300.49,2505.49 ccw(c2285.98,2520) v1@2306.5,2520 ; 2300.49,2505.49 cw(c2315,2490.98) v1@2315,2511.5
  Bottom Layer w15: v1(2315,2520) 5445,2520 5525,2440 v1(5525,2435) ; v1@2321.01,2513.99 cw(c2335.52,2499.48) 2335.52,2520 ; v1@2321.01,2513.99 cw(c2335.52,2499.48) 2335.52,2520 ; v1@2321.01,2513.99 cw(c2335.52,2499.48) 2335.52,2520 ; v1@2321.01,2526.01 ccw(c2335.52,2540.52) 2335.52,2520 ; v1@2321.01,2526.01 ccw(c2335.52,2540.52) 2335.52,2520 ; v1@2321.01,2526.01 ccw(c2335.52,2540.52) 2335.52,2520 ; 5506.95,2458.05 cw(c5483.91,2435) 5516.5,2435 ccw(c5483.91,2435) 5506.95,2458.05